# Altium PCB BytePipe_x9002_HDK_Rev2.PcbDoc (part 1 of 5) (continued)
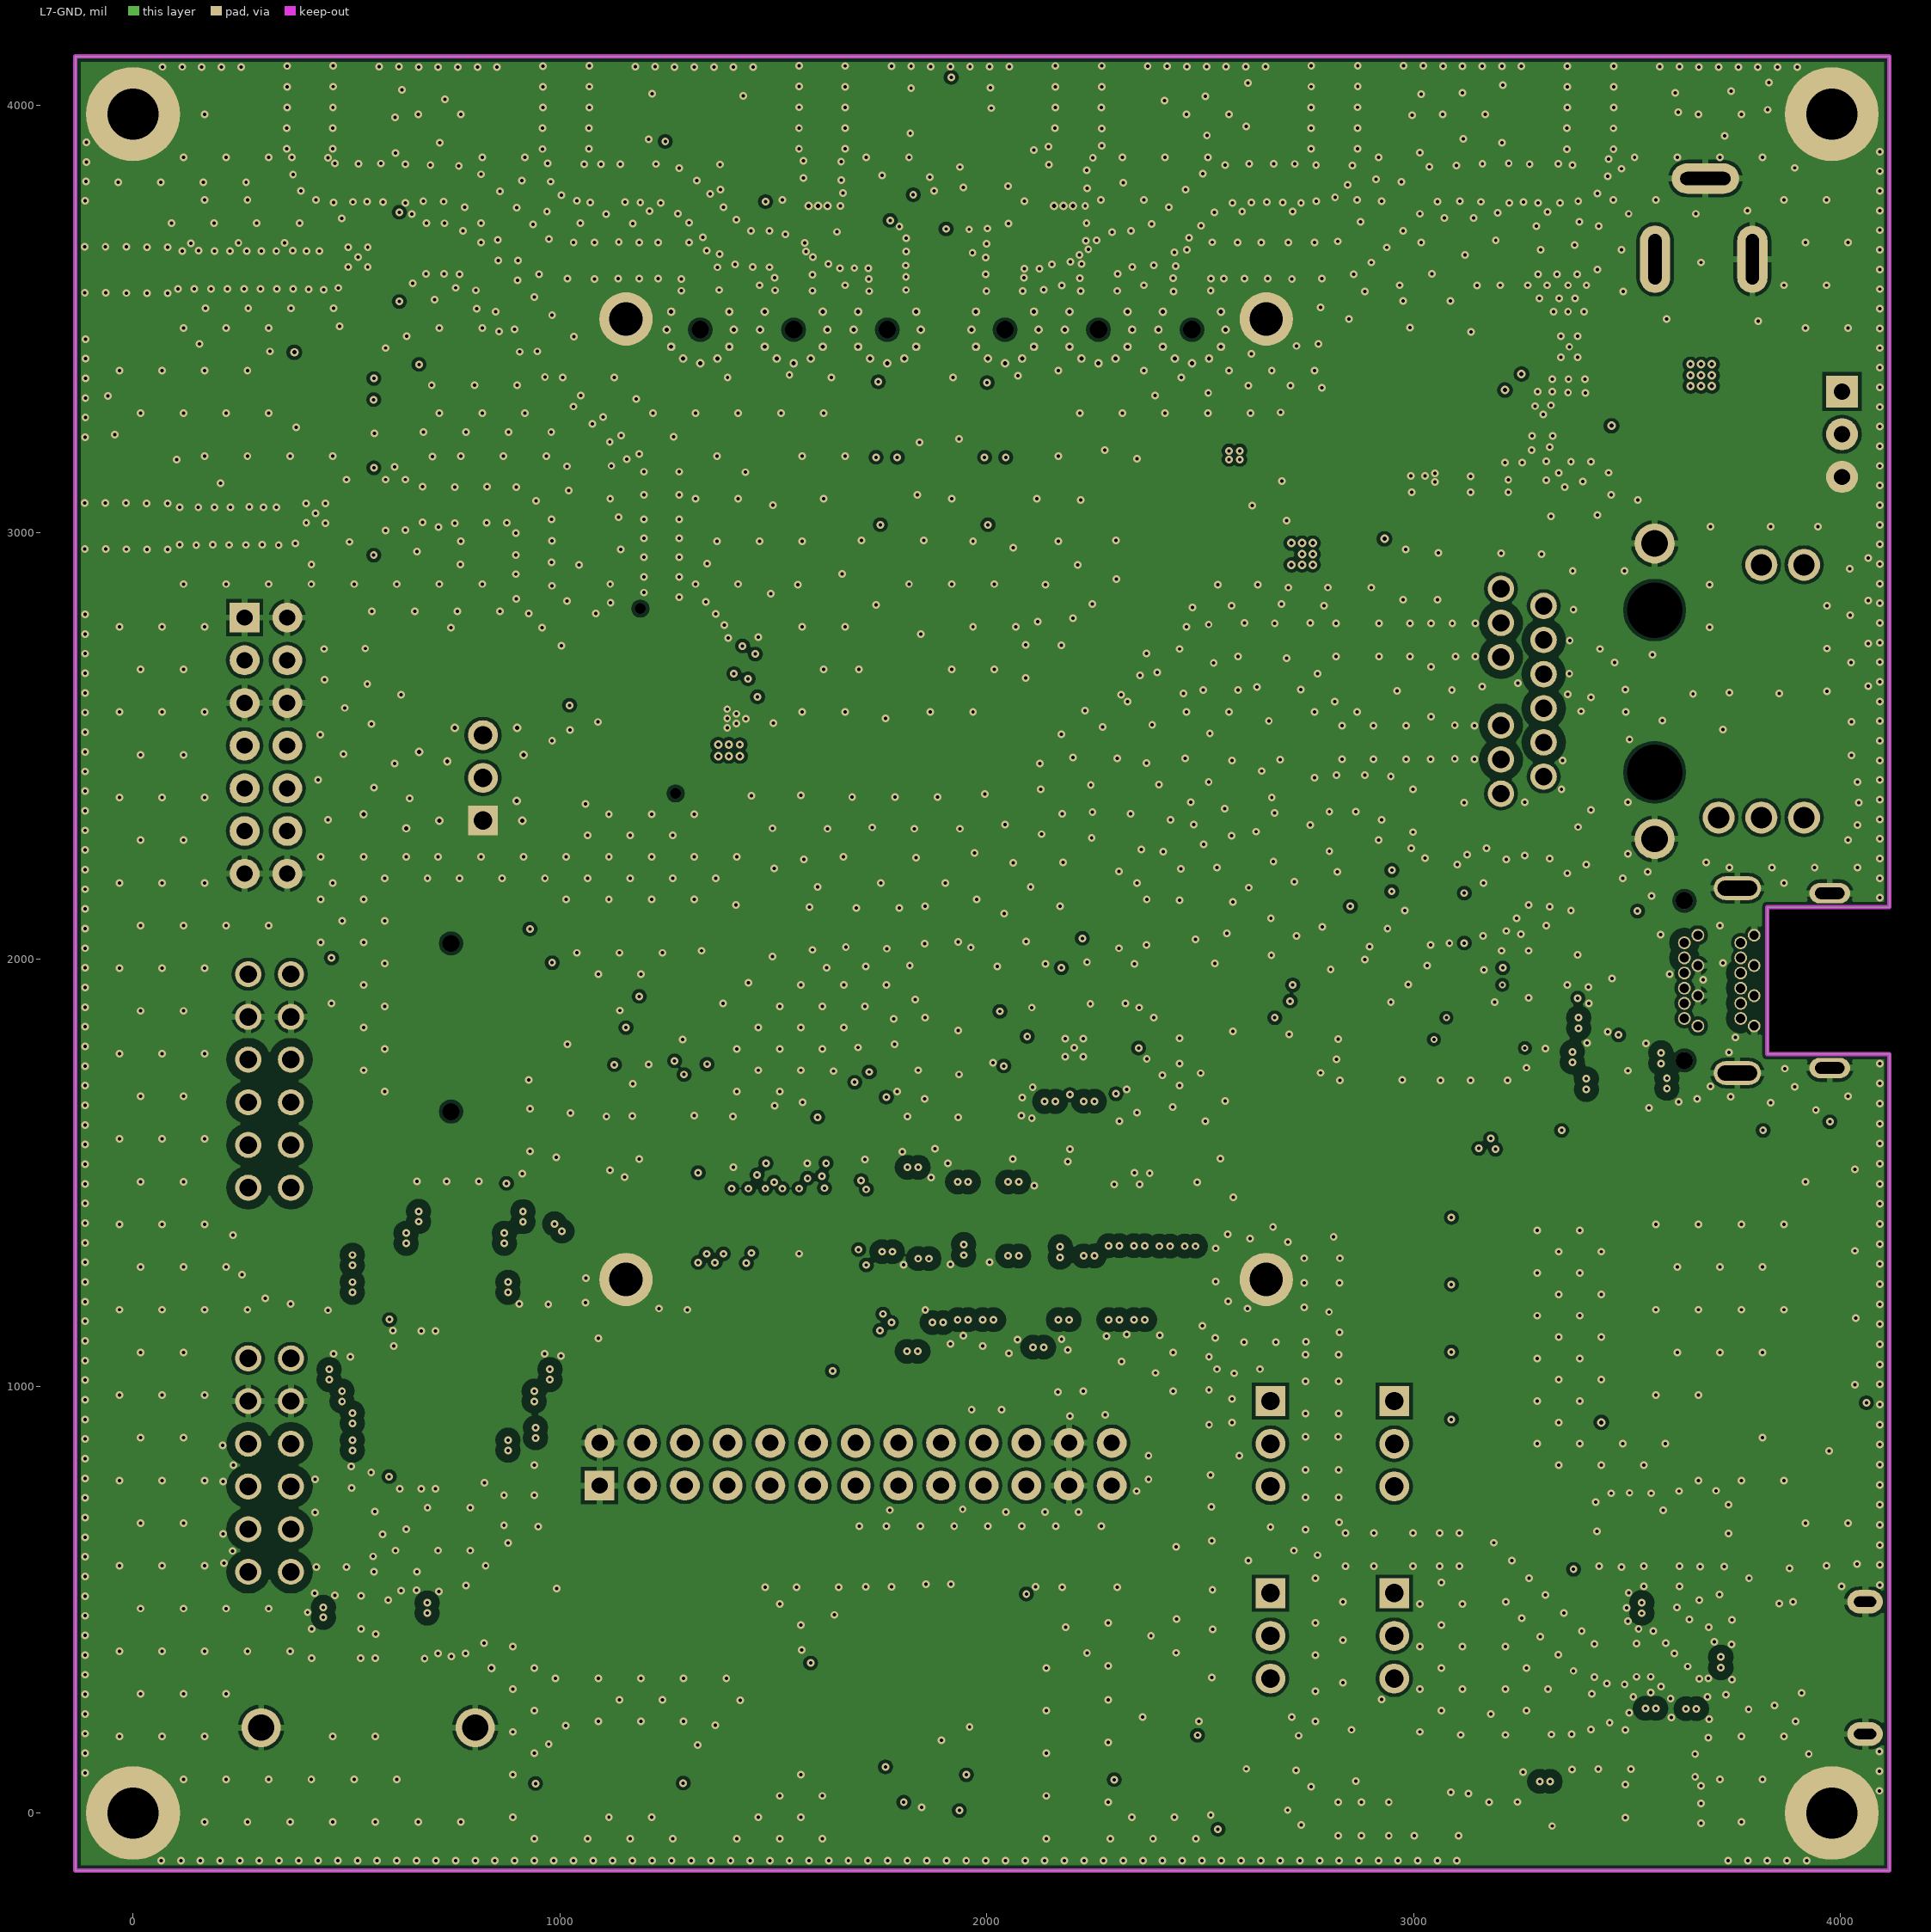
[diagram p7: L7-GND]
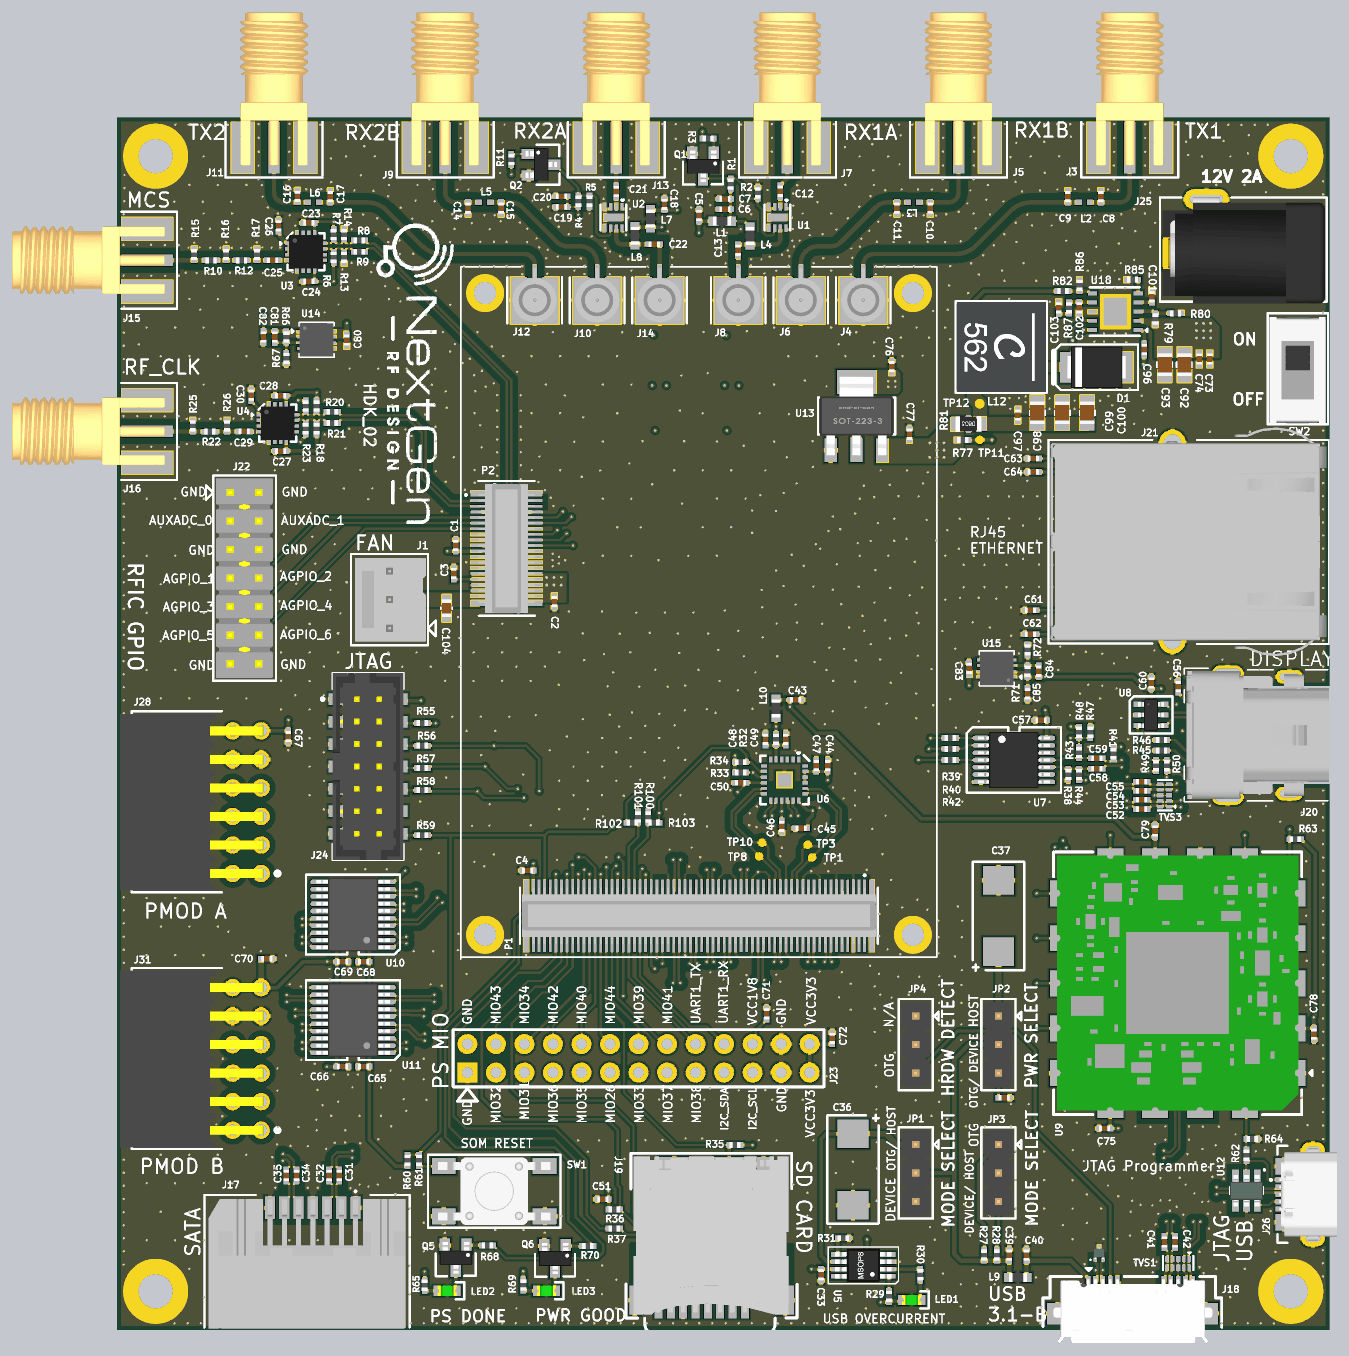
[diagram p12: 3D render of the assembled board from above, using the file's embedded part models]
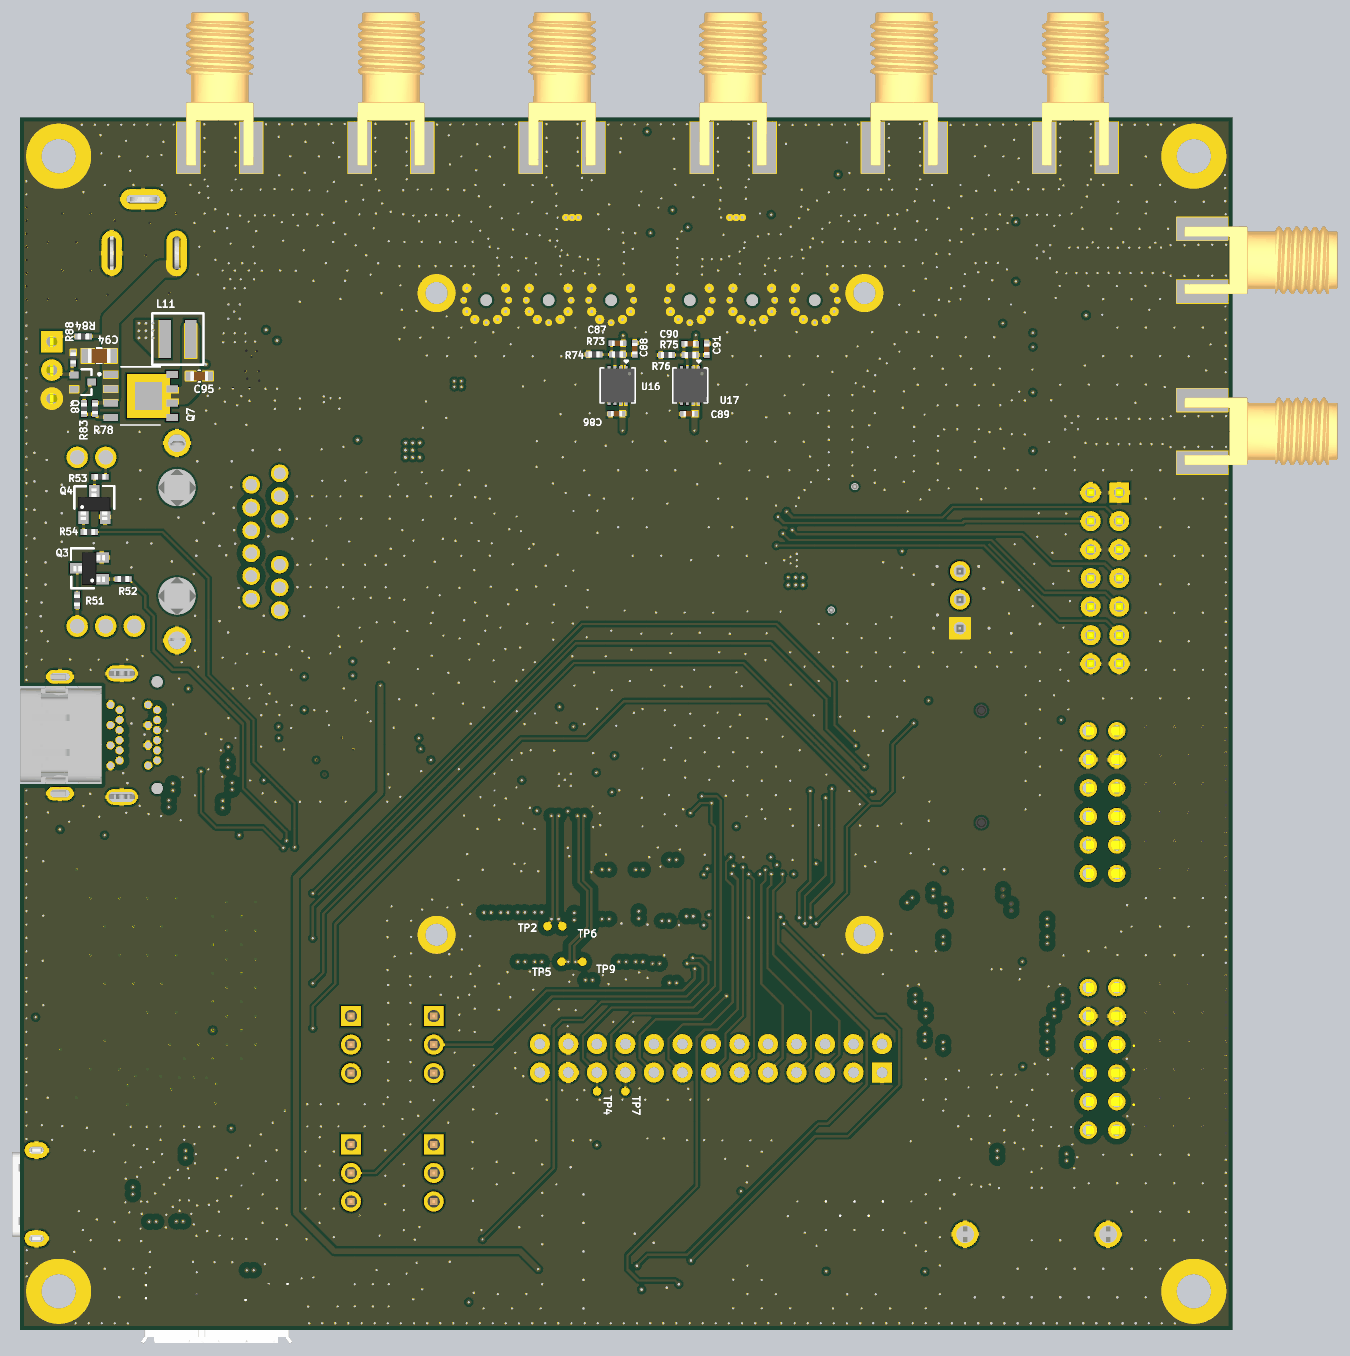
[diagram p13: 3D render of the assembled board from below, using the file's embedded part models]

## Layer stack, top to bottom
Top Solder: solder mask 0.4, Solder Resist, Dk 3.5
Top Layer: signal copper 1.4
Dielectric 1: core 8, 370HR, Dk 4
L2-GND: signal copper 0.7
Dielectric 2: prepreg 8, 370HR, Dk 4
L3-SIG: signal copper 0.7
Dielectric 3: core 8, 370HR, Dk 4
L4-GND: signal copper 0.7
Dielectric 4: prepreg 8, 370HR, Dk 4
L5-PWR: signal copper 0.7
Dielectric 5: core 8, 370HR, Dk 4
L6-SIG: signal copper 0.7
Dielectric 6: prepreg 8, 370HR, Dk 4
L7-GND: signal copper 0.7
Dielectric 7: core 8, 370HR, Dk 4
Bottom Layer: signal copper 1.4
Bottom Solder: solder mask 0.4, Solder Resist, Dk 3.5

## Board outline
-135,-135 -135,4115 4115,4115 4115,2122 3829,2122 3829,1778 4115,1778 4115,-135

## Design rules (kind name [scope] priority, off if disabled: settings)
Clearance "Clearance_95Ohm Diff" [InDifferentialPairClass('95OHM_DIFF') vs InPoly] p1: gap=20 ignorepadtopadclearanceinfootprint=FALSE
Clearance Clearance_50Ohm [InNetClass('50OHM_SE') vs InPoly] p2: gap=25 ignorepadtopadclearanceinfootprint=FALSE
Clearance Clearance_Board_Edge [(OnLayer('Keep-Out Layer')) vs InPoly] p3: gap=20 ignorepadtopadclearanceinfootprint=FALSE except(0: Arc-Hole Track-Hole SMDPad-Hole THPad-Hole Via-Hole Fill-Hole Poly-Hole Region-Hole Text-Hole)
Clearance Clearance_General_Polygon [All vs inPoly] p4: gap=8 ignorepadtopadclearanceinfootprint=TRUE
Clearance [All] p5: gap=6 ignorepadtopadclearanceinfootprint=TRUE
ComponentClearance [All] p1: gap=10 collisioncheckmode=3 verticalgap=-200 showdistances=FALSE
DiffPairsRouting DiffPairsRouting_95 [InDifferentialPairClass('95OHM_DIFF')] p1: maxlimit=6 minlimit=1 mostfreqgap=6 toplayer_mingap=6 toplayer_minwidth=8.75 toplayer_maxwidth=8.75 toplayer_prefwidth=8.75 midlayer2_mingap=6 midlayer2_minwidth=5.5 midlayer2_maxwidth=5.5 midlayer2_prefwidth=5.5 midlayer3_mingap=6 midlayer3_minwidth=5.5 midlayer3_maxwidth=5.5 midlayer3_prefwidth=5.5 midlayer4_mingap=6 midlayer4_minwidth=5.5 midlayer4_maxwidth=5.5 midlayer4_prefwidth=5.5 midlayer5_mingap=6 midlayer5_minwidth=5.5 midlayer5_maxwidth=5.5 midlayer5_prefwidth=5.5 midlayer7_maxgap=1 midlayer7_prefgap=1 midlayer7_minwidth=1 midlayer7_maxwidth=1 midlayer7_prefwidth=1 midlayer8_maxgap=1 midlayer8_prefgap=1 midlayer8_minwidth=1 midlayer8_maxwidth=1 midlayer8_prefwidth=1 bottomlayer_mingap=6 bottomlayer_minwidth=8.75 bottomlayer_maxwidth=8.75 bottomlayer_prefwidth=8.75 maxuncoupledlength=500
FabricationTestPointUsage TestPointUsage [All] p1: valid=0 allowmultiple=FALSE
FabricationTestpoint Testpoint [All] p1: side=3 testpointundercomponent=TRUE minsize=40 maxsize=100 preferedsize=60 minholesize=0 maxholesize=40 preferedholesize=32 testpointgrid=1 allowsidetop=TRUE allowsidebottom=TRUE usegrid=TRUE gridtolerance=0.01
HoleSize [All] p1: absolutevalues=TRUE maxlimit=221 minlimit=1 maxpercent=80.000 minpercent=20.000
Length "SD1_BUS Length" [InNetClass('SD1_BUS')] p1: maxlimit=2280 minlimit=1880
MatchedLengths MatchLengths_xSignals_DisplayPort [InxSignalClass('DisplayPort_xSig')] p1: tolerance=100 checknetsindiffpair=FALSE checkdiffpairvsdiffpair=TRUE checkxsignals=TRUE checkothers=TRUE
MatchedLengths MatchLengths_xSignals_PMODA [InxSignalClass('xSignals_PMODA')] p2: tolerance=50 checknetsindiffpair=FALSE checkdiffpairvsdiffpair=TRUE checkxsignals=TRUE checkothers=TRUE
MatchedLengths MatchLengths_xSignals_PMODB [InxSignalClass('xSignals_PMODB')] p3: tolerance=50 checknetsindiffpair=FALSE checkdiffpairvsdiffpair=TRUE checkxsignals=TRUE checkothers=TRUE
MatchedLengths MatchedLengths_95Ohms_Diff [InDifferentialPairClass('95OHM_DIFF')] p4: tolerance=5 checknetsindiffpair=TRUE checkdiffpairvsdiffpair=FALSE checkxsignals=FALSE checkothers=FALSE
MatchedLengths MatchedLengths_JTAG_BUS_CLASS [InNetClass('JTAG_BUS')] p5: tolerance=250 checknetsindiffpair=FALSE checkdiffpairvsdiffpair=TRUE checkxsignals=TRUE checkothers=TRUE
MatchedLengths MatchedLengths_ETH_BUS [InNetClass('ETH_BUS')] p6: tolerance=50 checknetsindiffpair=FALSE checkdiffpairvsdiffpair=TRUE checkxsignals=TRUE checkothers=TRUE
MatchedLengths MatchedLengths_USB3_BUS [InNetClass('USB3_BUS')] p7: tolerance=2.5 checknetsindiffpair=TRUE checkdiffpairvsdiffpair=FALSE checkxsignals=FALSE checkothers=FALSE
MatchedLengths MatchedLengths_SATA_BUS [InNetClass('SATA_BUS')] p8: tolerance=5 checknetsindiffpair=TRUE checkdiffpairvsdiffpair=FALSE checkxsignals=FALSE checkothers=FALSE
MinimumAnnularRing [All] p1: minimumring=2.9
MinimumSolderMaskSliver [All] p1: minsoldermaskwidth=0.09
PlaneConnect "Via_ Direct_Connect_to_Plane" [IsVia] p1: planeconnectstyle=Direct reliefexpansion=20 reliefentries=4 reliefconductorwidth=10 reliefairgap=10
PlaneConnect [All] p2: planeconnectstyle=Relief reliefexpansion=20 reliefentries=4 reliefconductorwidth=10 reliefairgap=10
PolygonConnect PolygonConnect_Thermal [InComponentClass('Thermal Relief')] p1: connectstyle=Relief reliefconductorwidth=15 reliefentries=4 polygonreliefangle="90 Angle" airgapwidth=8
PolygonConnect PolygonConnect_Via [IsVia] p2: connectstyle=Direct reliefconductorwidth=10 reliefentries=4 polygonreliefangle="90 Angle" airgapwidth=10
PolygonConnect [All] p3: connectstyle=Direct reliefconductorwidth=10 reliefentries=4 polygonreliefangle="90 Angle" airgapwidth=6
RoutingTopology RoutingTopology_DDRAddressAndControls [InNetClass('DDR_AddressAndControls')] p1: topology=Daisy_Simple
RoutingTopology [All] p2: topology=Shortest
RoutingVias [All] p1: holewidth=10 width=22 viastyle="Through Hole" minholewidth=6 minwidth=12 maxholewidth=28 maxwidth=50
SilkToSilkClearance [All] p1: silktosilkclearance=2
SilkToSolderMaskClearance SilkscreenOverComponentPads [IsPad] p1: minsilkscreentomaskgap=0.1 clearancetoexposedcopper=FALSE
SolderMaskExpansion [All] p1: expansion=2 istentingtop=FALSE
Width [All] p1: maxlimit=125 minlimit=4 preferedwidth=8
Width "Width 50Ohm Microstrip" [InNetClass('50OHM_SE')] p2: maxlimit=15.35 minlimit=1 preferedwidth=1 toplayer_minwidth=15.35 toplayer_prefwidth=15.35 midlayer2_maxwidth=1 midlayer3_maxwidth=1 midlayer4_maxwidth=1 midlayer5_maxwidth=1 midlayer7_maxwidth=1 midlayer8_maxwidth=1 bottomlayer_minwidth=15.35 bottomlayer_prefwidth=15.35 minimp=50.000000 maximp=50.000000 favimp=50.000000
Width "Width 75Ohms" [InNetClass('75_Ohm')] p3: maxlimit=7 minlimit=4 preferedwidth=6.5 toplayer_maxwidth=5 toplayer_prefwidth=4 midlayer2_minwidth=5 midlayer3_minwidth=5 midlayer4_minwidth=5 midlayer5_minwidth=5 midlayer7_minwidth=5 midlayer7_prefwidth=5.5 midlayer8_minwidth=5 midlayer8_prefwidth=5.5 bottomlayer_maxwidth=5 bottomlayer_prefwidth=4 minimp=50.000000 maximp=50.000000 favimp=50.000000
20 further rules are at their usual default settings.

## Classes and differential pairs
component class "Thermal Relief": C1 C2 C3 C4 C5 C6 C7 C12 C13 C18 C19 C20 C21 C22 C23 C24 C25 C26 C27 C28 C29 C30 C31 C32 C33 C34 C35 C36 C37 C38 C39 C40 C41 C42 C43 C44 C45 C46 C47 C48 C49 C50 C51 C52 C53 C54 C55 C56 C57 C58 C59 C60 C61 C62 C63 C64 C65 C66 C67 C68 C69 C70 C71 C72 C75 C76 C77 C78 C79 C80 C81 C82 C83 C84 C85 C86 C87 C88 C89 C90 C91 J17 J18 J19 J20 J21 J22 J23 J24 J25 J26 J28 J31 JP1 JP2 JP3 JP4 L1 L2 L3 L4 L5 L6 L7 L8 L9 L10 LED1 LED2 LED3 Q1 Q2 Q3 Q4 Q5 Q6 R1 R2 R3 R4 R5 R6 R7 R8 R9 R10 R11 R12 R18 R19 R20 R21 R22 R23 R24 R27 R28 R29 R30 R31 R32 R33 R34 R35 R36 R37 R38 R39 R40 R41 R42 R43 R44 R45 R46 R47 R48 R49 R50 R51 R52 R53 R54 R55 R56 R57 R58 R59 R60 R61 R62 R63 R64 R65 R66 R67 R68 R69 R70 R71 R72 R73 R74 R75 R76 SW1 TVS1 TVS2 TVS3 U5 U6 U7 U8 U9 U10 U11 U12 U13 U14 U15 U16 U17
differential pair class 95OHM_DIFF: DP_TX2 DP_TX3 DPAUX_C ETH_MD1 ETH_MD2 ETH_MD3 ETH_MD4 GTR_REFCLK0 GTR_REFCLK1 GTR_REFCLK2 GTR_REFCLK3 GTR_RX0 GTR_RX1 GTR_TX0 GTR_TX1 GTR_TX2 GTR_TX3 IO_L1 IO_L2 IO_L3 IO_L4 IO_L5 IO_L10 IO_L11 IO_L12 MCS MCS0 PMOD_A0 PMOD_A1 PMOD_A2 PMOD_A3 PMOD_B0 PMOD_B1 PMOD_B2 PMOD_B3 RF_CLK RF_CLK0 SATA_RX SATA_TX USB USB3_TX0 USB_JTAG
net class USB_JTAG_BUS: USB_JTAG_N USB_JTAG_P
net class USB3_BUS: GTR_RX0_N GTR_RX0_P GTR_TX0_N GTR_TX0_P USB3_TX0_N USB3_TX0_P
net class USB2_BUS: USB_N USB_P
net class SD1_BUS: MIO46 MIO47 MIO48 MIO49 MIO50 MIO51 NetJ19_5
net class SATA_BUS: GTR_RX1_N GTR_RX1_P GTR_TX1_N GTR_TX1_P SATA_RX_N SATA_RX_P SATA_TX_N SATA_TX_P
net class RF_CLK_BUS: RF_CLK0_N RF_CLK0_P RF_CLK_N RF_CLK_P
net class PMODB_BUS: IO_L5_N IO_L5_P IO_L10_N IO_L10_P IO_L11_N IO_L11_P IO_L12_N IO_L12_P PMOD_B0_N PMOD_B0_P PMOD_B1_N PMOD_B1_P PMOD_B2_N PMOD_B2_P PMOD_B3_N PMOD_B3_P
net class PMODA_BUS: IO_L1_N IO_L1_P IO_L2_N IO_L2_P IO_L3_N IO_L3_P IO_L4_N IO_L4_P PMOD_A0_N PMOD_A0_P PMOD_A1_N PMOD_A1_P PMOD_A2_N PMOD_A2_P PMOD_A3_N PMOD_A3_P
net class MCS_BUS: MCS0_N MCS0_P MCS_N MCS_P
net class JTAG_BUS: PS_JTAG_TCK PS_JTAG_TDI PS_JTAG_TDO PS_JTAG_TMS PS_SRST_N
net class GTR_CLK: GTR_REFCLK0_N GTR_REFCLK0_P GTR_REFCLK1_N GTR_REFCLK1_P GTR_REFCLK2_N GTR_REFCLK2_P GTR_REFCLK3_N GTR_REFCLK3_P
net class ETH_BUS: ETH_MD1_N ETH_MD1_P ETH_MD2_N ETH_MD2_P ETH_MD3_N ETH_MD3_P ETH_MD4_N ETH_MD4_P
net class DP_GTR_BUS: DP_TX2_N DP_TX2_P DP_TX3_N DP_TX3_P GTR_TX2_N GTR_TX2_P GTR_TX3_N GTR_TX3_P
net class DP_AUX_BUS: DPAUX_C_N DPAUX_C_P
net class 50OHM_SE: NetC8_1 NetC9_1 NetC10_1 NetC11_1 NetC12_1 NetC12_2 NetC13_1 NetC13_2 NetC14_1 NetC15_1 NetC16_1 NetC17_1 NetC21_1 NetC21_2 NetC22_1 NetC22_2 NetC25_1 NetC25_2 NetC29_1 NetC29_2 NetJ15_1 NetJ16_1 NetR10_1
component class "7-JTAG & Power": C73 C74 C75 C76 C77 C78 C79 C80 C81 C82 C83 C84 C85 C86 C87 C88 C89 C90 C91 C92 C93 C94 C95 C96 C97 C98 C99 C100 C101 C102 C103 C104 D1 J1 J24 J25 J26 L11 L12 LED2 LED3 Q5 Q6 Q7 Q8 R55 R56 R57 R58 R59 R60 R61 R62 R63 R64 R65 R66 R67 R68 R69 R70 R71 R72 R73 R74 R75 R76 R77 R78 R79 R80 R81 R82 R83 R84 R85 R86 R87 R88 SW1 SW2 TP11 TP12 U9 U12 U13 U14 U15 U16 U17 U18
component class "6-User IO": C65 C66 C67 C68 C69 C70 C71 C72 J22 J23 J28 J31 U10 U11
component class "5-DisplayPort & Ethernet": C51 C52 C53 C54 C55 C56 C57 C58 C59 C60 C61 C62 C63 C64 J19 J20 J21 Q3 Q4 R35 R36 R37 R38 R39 R40 R41 R42 R43 R44 R45 R46 R47 R48 R49 R50 R51 R52 R53 R54 TVS3 U7 U8
component class "4-USB & SATA": C31 C32 C33 C34 C35 C36 C37 C38 C39 C40 C41 C42 C43 C44 C45 C46 C47 C48 C49 C50 J17 J18 JP1 JP2 JP3 JP4 L9 L10 LED1 R27 R28 R29 R30 R31 R32 R33 R34 S1 S2 S3 TP1 TP2 TP3 TP4 TP5 TP6 TP7 TP8 TP9 TP10 TVS1 TVS2 U5 U6
component class "3-RF Frontend": C5 C6 C7 C8 C9 C10 C11 C12 C13 C14 C15 C16 C17 C18 C19 C20 C21 C22 C23 C24 C25 C26 C27 C28 C29 C30 J3 J4 J5 J6 J7 J8 J9 J10 J11 J12 J13 J14 J15 J16 L1 L2 L3 L4 L5 L6 L7 L8 Q1 Q2 R1 R2 R3 R4 R5 R6 R7 R8 R9 R10 R11 R12 R13 R14 R15 R16 R17 R18 R19 R20 R21 R22 R23 R24 R25 R26 U1 U2 U3 U4
component class "2-SOM Interface": C1 C2 C3 C4 MH1 MH2 MH3 MH4 MH5 MH6 MH7 MH8 P1 P2 R100 R101 R102 R103
differential pair GTR_REFCLK2: +GTR_REFCLK2_P -GTR_REFCLK2_N
differential pair USB: +USB_P -USB_N
differential pair USB_JTAG: +USB_JTAG_P -USB_JTAG_N
differential pair USB3_TX0: +USB3_TX0_P -USB3_TX0_N
differential pair SATA_TX: +SATA_TX_P -SATA_TX_N
differential pair SATA_RX: +SATA_RX_P -SATA_RX_N
differential pair RF_CLK: +RF_CLK_P -RF_CLK_N
differential pair RF_CLK0: +RF_CLK0_P -RF_CLK0_N
differential pair PMOD_B3: +PMOD_B3_P -PMOD_B3_N
differential pair PMOD_B2: +PMOD_B2_P -PMOD_B2_N
differential pair PMOD_B1: +PMOD_B1_P -PMOD_B1_N
differential pair PMOD_B0: +PMOD_B0_P -PMOD_B0_N
differential pair PMOD_A3: +PMOD_A3_P -PMOD_A3_N
differential pair PMOD_A2: +PMOD_A2_P -PMOD_A2_N
differential pair PMOD_A1: +PMOD_A1_P -PMOD_A1_N
differential pair PMOD_A0: +PMOD_A0_P -PMOD_A0_N
differential pair MCS: +MCS_P -MCS_N
differential pair MCS0: +MCS0_P -MCS0_N
differential pair IO_L12: +IO_L12_P -IO_L12_N
differential pair IO_L11: +IO_L11_P -IO_L11_N
differential pair IO_L10: +IO_L10_P -IO_L10_N
differential pair IO_L5: +IO_L5_P -IO_L5_N
differential pair IO_L4: +IO_L4_P -IO_L4_N
differential pair IO_L3: +IO_L3_P -IO_L3_N
differential pair IO_L2: +IO_L2_P -IO_L2_N
differential pair IO_L1: +IO_L1_P -IO_L1_N
differential pair GTR_TX3: +GTR_TX3_P -GTR_TX3_N
differential pair GTR_TX2: +GTR_TX2_P -GTR_TX2_N
differential pair GTR_TX1: +GTR_TX1_P -GTR_TX1_N
differential pair GTR_TX0: +GTR_TX0_P -GTR_TX0_N
differential pair GTR_RX1: +GTR_RX1_P -GTR_RX1_N
differential pair GTR_RX0: +GTR_RX0_P -GTR_RX0_N
differential pair GTR_REFCLK3: +GTR_REFCLK3_P -GTR_REFCLK3_N
differential pair GTR_REFCLK1: +GTR_REFCLK1_P -GTR_REFCLK1_N
differential pair GTR_REFCLK0: +GTR_REFCLK0_P -GTR_REFCLK0_N
differential pair ETH_MD4: +ETH_MD4_P -ETH_MD4_N
differential pair ETH_MD3: +ETH_MD3_P -ETH_MD3_N
differential pair ETH_MD2: +ETH_MD2_P -ETH_MD2_N
differential pair ETH_MD1: +ETH_MD1_P -ETH_MD1_N
differential pair DPAUX_C: +DPAUX_C_P -DPAUX_C_N
differential pair DP_TX3: +DP_TX3_P -DP_TX3_N
differential pair DP_TX2: +DP_TX2_P -DP_TX2_N

## Components (designator, comment, footprint, x,y, rotation, side; value= is the part's Value field where it differs from the comment)
C1 "CAP_CERAMIC_0402" SM/0402/CAP 1052,2615 r90 top locked value=4.7uF
C2 "CAP_CERAMIC_0402" SM/0402/CAP 1398,2418 r270 top locked value=10uF
C3 "CAP_CERAMIC_0402" SM/0402/CAP 1045,2517 r90 top locked value=10uF
C4 "CAP_CERAMIC_0402" SM/0402/CAP 1304.3,1475.39 r180 top locked value=4.7uF
C5 "CAP_CERAMIC_0402" SM/0402/CAP 1905,3772 r90 top locked value=10uF
C6 "CAP_CERAMIC_0402" SM/0402/CAP 1996,3794 r180 top locked value=100pF
C7 "CAP_CERAMIC_0402" SM/0402/CAP 1996,3830 r180 top locked value=1uF
C8 "CAP_CERAMIC_0402" SM/0402/CAP 3314,3838 r90 top locked value=DNP
C9 "CAP_CERAMIC_0402" SM/0402/CAP 3198,3838 r90 top locked value=DNP
C10 "CAP_CERAMIC_0402" SM/0402/CAP 2716,3798 r270 top locked value=DNP
C11 "CAP_CERAMIC_0402" SM/0402/CAP 2599,3798 r270 top locked value=DNP
C12 "CAP_CERAMIC_0402" SM/0402/CAP 2190,3857 r270 top locked value=100pF
C13 "CAP_CERAMIC_0402" SM/0402/CAP 2042,3650 r270 top value=100pF
C14 "CAP_CERAMIC_0402" SM/0402/CAP 1095,3798 r270 top locked value=DNP
C15 "CAP_CERAMIC_0402" SM/0402/CAP 1211,3798 r270 top locked value=DNP
C16 "CAP_CERAMIC_0402" SM/0402/CAP 497,3839 r90 top locked value=DNP
C17 "CAP_CERAMIC_0402" SM/0402/CAP 612,3838 r90 top locked value=DNP
C18 "CAP_CERAMIC_0402" SM/0402/CAP 1784,3811 r90 top locked value=10uF
C19 "CAP_CERAMIC_0402" SM/0402/CAP 1423,3802 r180 top locked value=100pF
C20 "CAP_CERAMIC_0402" SM/0402/CAP 1423,3839 r180 top locked value=1uF
C21 "CAP_CERAMIC_0402" SM/0402/CAP 1615,3856 r270 top locked value=100pF
C22 "CAP_CERAMIC_0402" SM/0402/CAP 1748,3671 r0 top locked value=100pF
C23 "CAP_CERAMIC_0402" SM/0402/CAP 537,3746 r180 top locked value=4.7uF
C24 "CAP_CERAMIC_0402" SM/0402/CAP 537,3541 r180 top locked value=0.1uF
C25 "CAP_CERAMIC_0402" SM/0402/CAP 410,3615 r0 top locked value=10000pF
C26 "CAP_CERAMIC_0402" SM/0402/CAP 430.55,3735.87 r90 top locked value=0.1uF
C27 "CAP_CERAMIC_0402" SM/0402/CAP 438,2946 r180 top locked value=4.7uF
C28 "CAP_CERAMIC_0402" SM/0402/CAP 438,3140 r180 top locked value=0.1uF
C29 "CAP_CERAMIC_0402" SM/0402/CAP 310,3015 r0 top locked value=10000pF
C30 "CAP_CERAMIC_0402" SM/0402/CAP 335,3142 r90 top locked value=0.1uF
C31 "CAP_CERAMIC_0402" SM/0402/CAP 644,406 r270 top locked value=0.1uF
C32 "CAP_CERAMIC_0402" SM/0402/CAP 608,406 r270 top locked value=0.1uF
C33 "CAP_CERAMIC_0402" SM/0402/CAP 2333,58 r270 top locked value=0.1uF
C34 "CAP_CERAMIC_0402" SM/0402/CAP 494,406 r270 top locked value=0.1uF
C35 "CAP_CERAMIC_0402" SM/0402/CAP 458,406 r270 top locked value=0.1uF
C36 "TANT-D" SM/CAP/TANT-D_A 2445,427 r270 top locked value=150uF
C37 "TANT-D" SM/CAP/TANT-D_A 2955,1316 r90 top locked value=150uF
C38 "CAP_CERAMIC_0402" SM/0402/CAP 2975,679 r0 top locked value=4.7uF
C39 "CAP_CERAMIC_0402" SM/0402/CAP 2993,127 r90 top locked value=4.7uF
C40 "CAP_CERAMIC_0402" SM/0402/CAP 3053,127 r90 top locked value=0.1uF
C41 "CAP_CERAMIC_0402" SM/0402/CAP 3537,173 r270 top locked value=0.1uF
C42 "CAP_CERAMIC_0402" SM/0402/CAP 3574,173 r270 top locked value=0.1uF
C43 "CAP_CERAMIC_0402" SM/0402/CAP 2244,2074 r0 top locked value=4.7uF
C44 "CAP_CERAMIC_0402" SM/0402/CAP 2356,1843 r90 top locked value=0.1uF
C45 "CAP_CERAMIC_0402" SM/0402/CAP 2262.92,1623.47 r180 top locked value=0.1uF
C46 "CAP_CERAMIC_0402" SM/0402/CAP 2195,1630 r270 top locked value=0.1uF
C47 "CAP_CERAMIC_0402" SM/0402/CAP 2316,1843 r90 top locked value=4.7uF
C48 "CAP_CERAMIC_0402" SM/0402/CAP 2138,1935 r90 top locked value=4.7uF
C49 "CAP_CERAMIC_0402" SM/0402/CAP 2209,1935 r90 top locked value=0.1uF
C50 "CAP_CERAMIC_0402" SM/0402/CAP 2051,1783 r180 top locked value=0.1uF
C51 "CAP_CERAMIC_0402" SM/0402/CAP 1568,323 r180 top locked value=0.1uF
C52 "CAP_CERAMIC_0402" SM/0402/CAP 3457,1691 r0 top locked value=0.1uF
C53 "CAP_CERAMIC_0402" SM/0402/CAP 3457,1723.33 r0 top locked value=0.1uF
C54 "CAP_CERAMIC_0402" SM/0402/CAP 3457,1754.67 r0 top locked value=0.1uF
C55 "CAP_CERAMIC_0402" SM/0402/CAP 3457,1787 r0 top locked value=0.1uF
C56 "CAP_CERAMIC_0402" SM/0402/CAP 3585,2120 r90 top locked value=0.1uF
C57 "CAP_CERAMIC_0402" SM/0402/CAP 3104,2002 r180 top locked value=0.1uF
C58 "CAP_CERAMIC_0402" SM/0402/CAP 3300,1832 r0 top locked value=0.1uF